# Altium PCB SIM800C_V1.2.PcbDoc
Units mil, origin at the board's own origin, x right, y up, seen from the top; angles counter-clockwise.
Board outline 1571.31 x 1961 mil, 2 copper layers (Top Layer, Bottom Layer); 34 components, 33 nets, 147 pads, 27 vias.
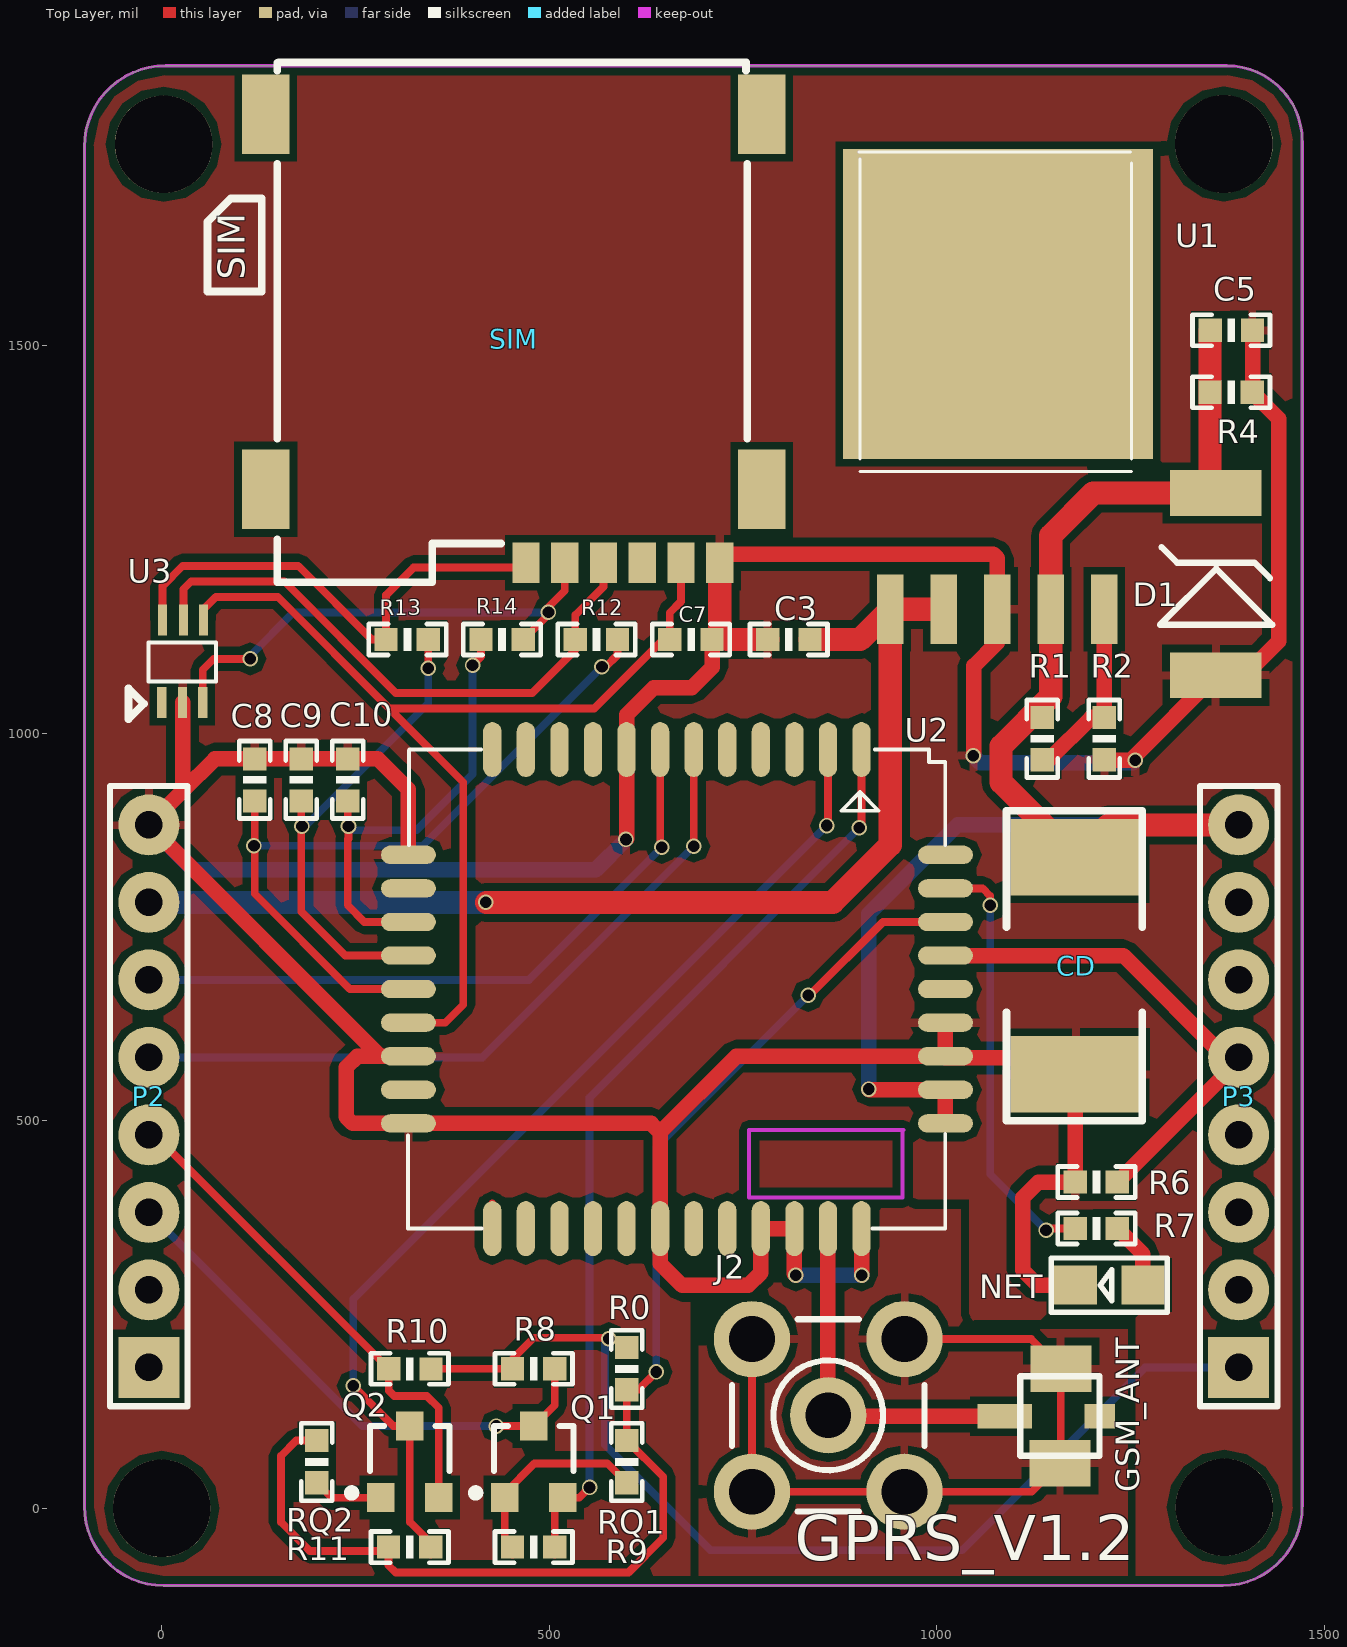
[diagram p0: Top Layer view]
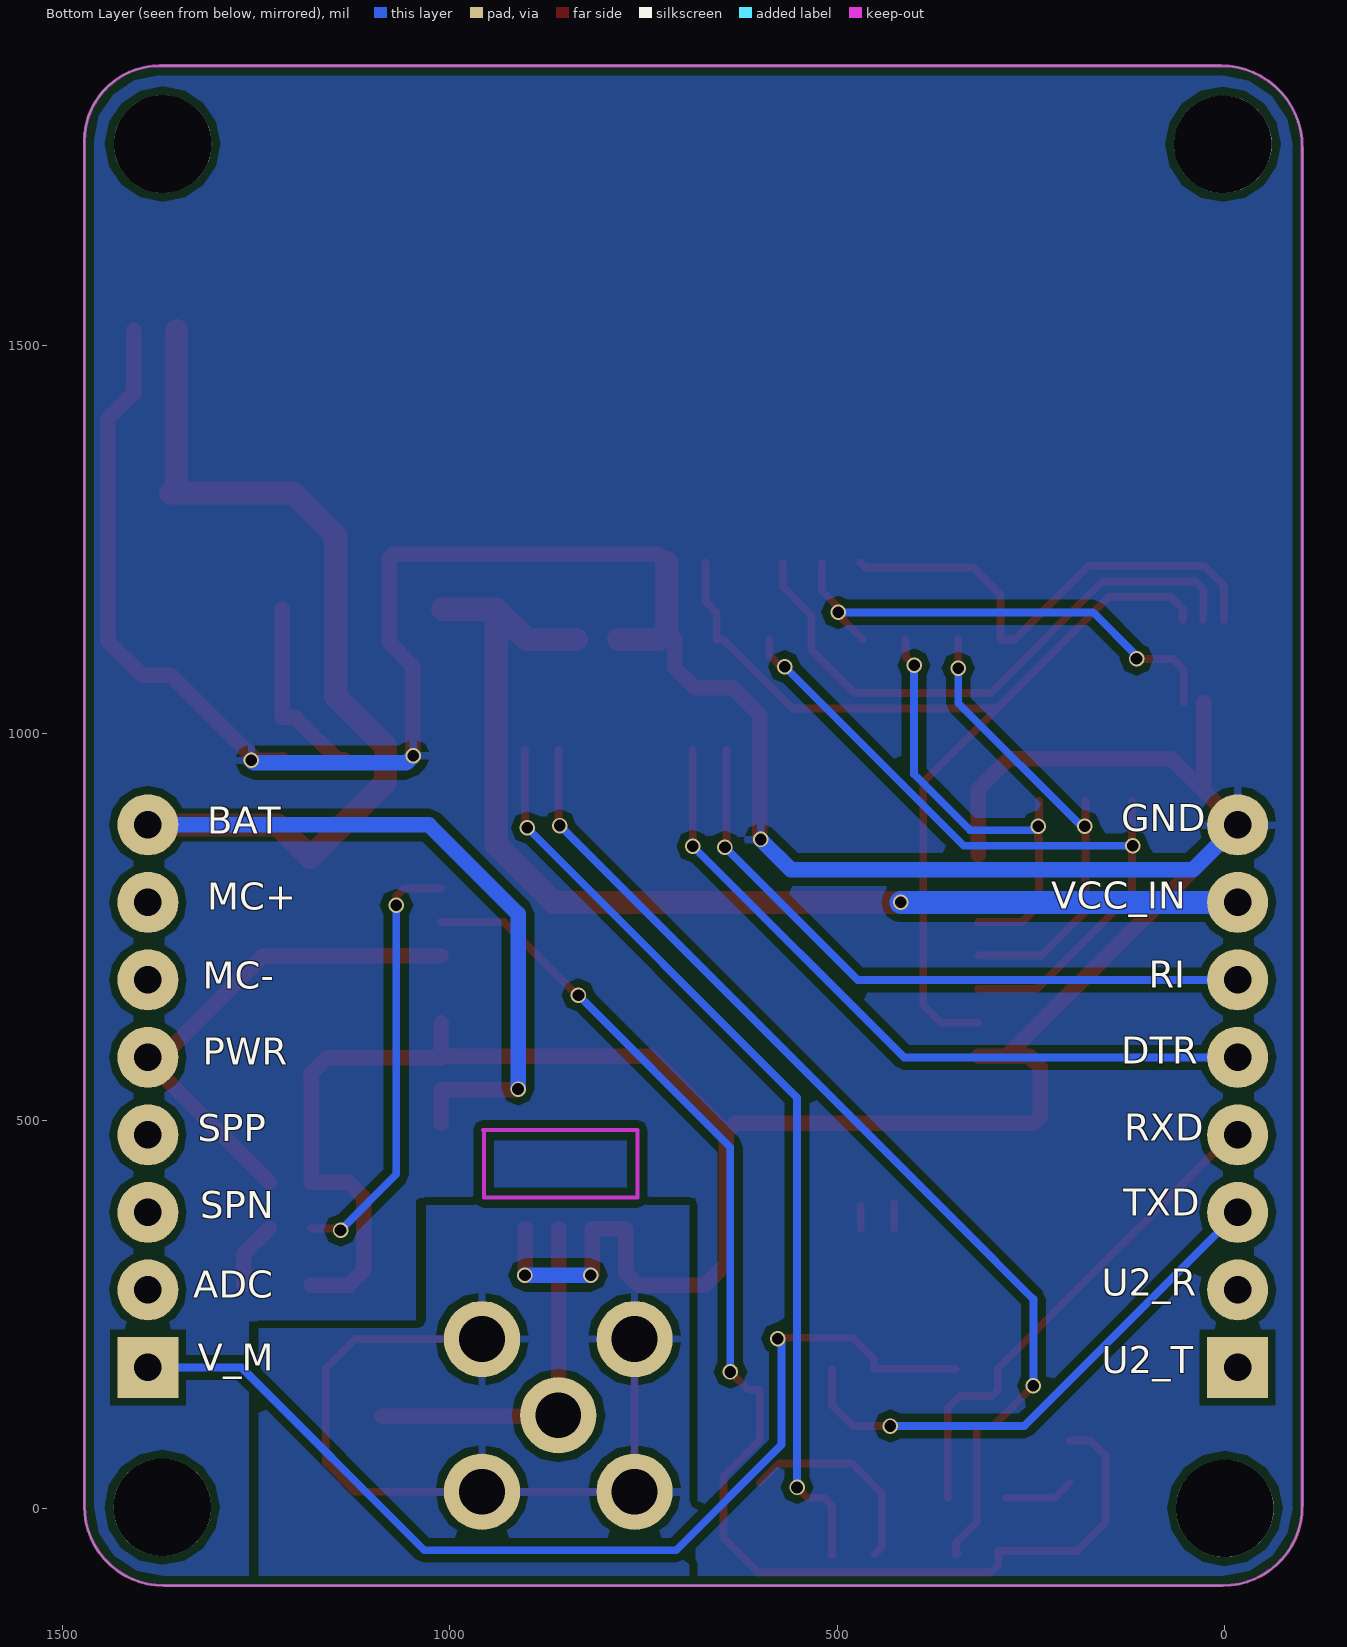
[diagram p1: Bottom Layer view, seen from below]

## Layer stack, top to bottom
Top Layer: signal copper 1.4
Dielectric: dielectric 12.6, FR-4, Dk 4.8
Bottom Layer: signal copper 1.4

## Board outline
-99.81,2.65 ccw(c2.55,2.65) 2.55,-99.71 1369.08,-99.71 ccw(c1369.08,2.72) 1471.51,2.72 1471.51,1764.14 ccw(c1374.36,1764.14) 1374.36,1861.29 4.86,1861.29 ccw(c4.86,1756.63) -99.81,1756.63

## Design rules (kind name [scope] priority, off if disabled: settings)
Clearance [All] p1: gap=10
PolygonConnect [All] p1: connectstyle=Relief reliefconductorwidth=10 reliefentries=4 polygonreliefangle="90 Angle"
RoutingVias [All] p1: holewidth=15 width=20 viastyle="Through Hole" minholewidth=5 minwidth=10 maxholewidth=28 maxwidth=50
SilkscreenOverComponentPads [All] p1: minsilkscreentomaskgap=10
SolderMaskExpansion [All] p1: expansion=4
Width [All] p1: maxlimit=100 minlimit=10 preferedwidth=10
27 further rules are at their usual default settings.

## Components (designator, comment, footprint, x,y, rotation, side; value= is the part's Value field where it differs from the comment)
C3 "0.1uF" 0603P 809,1121.13 r0 top
C5 "0.1uF" 0603P 1380,1520 r0 top
C7 "0.1uf" 0603P 683,1121 r180 top
C8 "22UF" 0603P 120,940 r270 top
C9 "22UF" 0603P 180,940 r270 top
C10 "22Pf" 0603P 240,940 r270 top
CD "钽电容_E型" 钽电容_E型 1180,560 r90 top
D1 "SMBJ5.0A" SMBJ 1360,1180 r90 top
GSM_ANT "IPX" IPX 1160,170 r90 top
J2 "SMB" SMB_V-RJ45 860,120 r0 top
NET "LED" SMDLED 1266,288 r180 top
P2 "Header 8" HDR1X8 -16.56,181.78 r90 top
P3 "Header 8" HDR1X8 1389.42,181.78 r90 top
Q1 "NMOS-2" SOT-23 480,60 r0 top
Q2 "NMOS-2" SOT-23 320,60 r0 top
R0 "0R" 0603P 600,180 r90 top
R1 "220K" 0603P 1136,993 r90 top
R2 "100K" 0603P 1216,993 r90 top
R4 "1K" 0603P 1380,1440 r180 top
R6 "10K" 0603P 1206,421 r180 top
R7 "1K" 0603P 1206,361 r180 top
R8 "4.7K" 0603P 480,180 r180 top
R9 "47k" 0603P 480,-50 r180 top
R10 "47K" 0603P 320,180 r0 top
R11 "4.7K" 0603P 320,-50 r180 top
R12 "22R" 0603P 561,1121 r180 top
R13 "22R" 0603P 317,1121 r180 top
R14 "22R" 0603P 439,1121 r0 top
RQ1 "4.7k" 0603P 600,60 r90 top
RQ2 "4.7k" 0603P 200,60 r90 top
SIM "MicroSim" "SIM卡 自弹" 720,1220 r90 top
U1 "MIC29302" D2PAK 940,1160 r0 top
U2 "SIM800C" SIM800C 902.94,979.05 r270 top
U3 "SMF05C_1" SOT-363 0,1040 r0 top

## Footprints (in the part's own frame and the unit in brackets; to place one, negate y for a bottom-side part, rotate by r counter-clockwise, add the part's x,y. Pads: shape width x height; smd on the part's side, far side on the other; paste and mask are expansions set on the pad)
0603P [mil]
  rect 30x30 smd: 1(-27,0) 2(27.5,-0.06)
  silkscreen extent -50,-20 50,20
D2PAK [mil]
  rect 34x90 smd: 1(0,0) 2(69,0) 3(138,0) 4(207,0) 5(276,0)
  rect 400x400 smd: ""(139,394)
  silkscreen extent -40,178 311,590
HDR1X8 [mm] "Connector; Header; 8 Position"
  rect 2x2 hole 0.9: 1(0,0)
  round 2 hole 0.9: 2(2.54,0) 3(5.08,0) 4(7.62,0) 5(10.16,0) 6(12.7,0) 7(15.24,0) 8(17.78,0)
  silkscreen extent -1.27,-1.27 19.05,1.27, body extent -1.37,-1.37 19.15,1.37, height 4.57
IPX [mil]
  rect 60x78.74 smd: 1(10.36,0) 3(-112,1)
  rect 31.5x70 smd: 2(-51,72.36)
  rect 31.5x39.37 smd: ""(-51,-50)
  silkscreen extent -102,-50 0,52
SIM800C [mm]
  oval 1.8x0.6 smd: 1(0,0) 2(0,-1.1) 3(0,-2.2) 4(0,-3.3) 5(0,-4.4) 6(0,-5.5) 7(0,-6.6) 8(0,-7.7) 9(0,-8.8) 10(0,-9.9) 11(0,-11) 12(0,-12.1) 22(15.7,-12.1) 23(15.7,-11) 24(15.7,-9.9) 25(15.7,-8.8) 26(15.7,-7.7) 27(15.7,-6.6) 28(15.7,-5.5) 29(15.7,-4.4) 30(15.7,-3.3) 31(15.7,-2.2) 32(15.7,-1.1) 33(15.7,0)
  oval 0.6x1.8 smd: 13(3.45,-14.85) 14(4.55,-14.85) 15(5.65,-14.85) 16(6.75,-14.85) 17(7.85,-14.85) 18(8.95,-14.85) 19(10.05,-14.85) 20(11.15,-14.85) 21(12.25,-14.85) 34(12.25,2.75) 35(11.15,2.75) 36(10.05,2.75) 37(8.95,2.75) 38(7.85,2.75) 39(6.75,2.75) 40(5.65,2.75) 41(4.55,2.75) 42(3.45,2.75)
  Keep-Out Layer lines w0.127: 12.522,1.346 14.681,1.346 14.681,-3.683 12.471,-3.683 12.471,1.372
  silkscreen extent 0,-14.86 15.7,2.74
"SIM卡 自弹" [mm]
  rect 2.61x1.56 smd: 0(2.413,14.884) 0(2.413,-1.372) 0(14.7,-1.372) 0(14.7,14.884)
  rect 1.34x0.9 smd: 1(0,1.27) 2(0,3.81) 3(0,6.35) 5(0,0) 6(0,2.54) 7(0,5.08)
  silkscreen extent -0.64,-0.9 16.4,16.79
SMB_V-RJ45 [mm] "Connector; SMB Straight"
  round 2.5 hole 1.5: 1(0,0) 2(-2.5,-2.5) 2(-2.5,2.5) 2(2.5,-2.5) 2(2.5,2.5)
  silkscreen extent -3.15,-3.15 3.15,3.15
SMBJ [mm]
  rect 1.5x3 smd: 1(-2.667,0) 2(3.302,0)
  silkscreen extent -1.02,-1.85 1.52,1.83
SMDLED [mm]
  rect 1.4x1.27 smd: 1(0.001,-0.002) 2(2.211,-0.002)
  silkscreen extent -0.8,-0.89 3.01,0.89
SOT-23 [mm]
  rect 0.9x0.95 smd: 1(-0.95,-1.175) 2(0.95,-1.175) 3(0,1.175)
  silkscreen extent -2.03,-1.14 1.3,1.18
SOT-363 [mil]
  rect 11.81x40 smd: 1(0,0) 2(27,0) 3(53,0) 4(54,106) 5(28,106) 6(1,106)
  silkscreen extent -43,-22 70,77
钽电容_E型 [mm]
  rect 2.5x4.3 smd: 1(0,0) 2(7.112,0)
  silkscreen extent -1.52,-2.16 8.64,2.29

## Part data
C3 C7 C8 C9 C10: library part C
C5: library part C_2
D1: library part SMBJ, "TVS"
GSM_ANT: library part IPEX, "IPEX座"
J2: "SMB Straight Connector"
NET: library part LED2, "Typical RED, GREEN, YELLOW, AMBER GaAs LED"
P2 P3: "Header, 8-Pin"
Q1 Q2: "N-Channel Power MOSFET"
R0 R1 R2 R4 R6 R7 R8 R9 R10 R11 R12 R13 R14 RQ1 RQ2: library part R
SIM: library part "SIM卡 自弹"
U3: "TVS"

## Free pads (board coordinates)
  round 125.98 hole 125.98: 0(2.51,1760.02) 1(1370.47,1760.37) 2(0,0) 3(1371.08,1.38)

## Via types
v1: diameter 20, hole 15, Top Layer to Bottom Layer, 27 vias

## Nets (pads, with @x,y where several pads share a name; then routed paths per layer and width w, separated by ;. In a path a pad name is that pad's centre, name@x,y a point inside that pad or via, vN(x,y) a via of type N, cw(c..) or ccw(c..) an arc to the next point about the centre after c; other vN are vias at no path point)
ADC: U2.38
DTR: P2.5 U2.6 | length 940.5
  Top Layer w10: v1(686.41,854.41) U2.6
  Bottom Layer w10: P2.5 413.78,581.78 v1(686.41,854.41)
GND: C3.1 C5.2 C7.1 C8.1 C9.1 C10.1 CD.1 D1.1 NET.2 P2.8 R2.1 R4.1 R6.2 SIM.5 U1.3 U2.8 U2.13 U2.19 U2.21 U2.27 U2.30 U2.31 U2.33 U2.36 U2.37 U3.2 | length 5907.3
  Top Layer w20: U3.2 27,925.34 ; U2.19 281.84,583.38 ; U2.13 318.3,927.7 279,967 C10.1 C9.1 C8.1 68.66,967 27,925.34 ; v1(599,863) 599.79,863.79 U2.8 599.79,1023.79 635,1059 684,1059 710,1085 C7.1 ; SIM.5 731,1231 1073,1231 1078,1226 U1.3 1078,1117 1048,1087 1048,972 v1(1047,971) ; v1(818,301) 816.33,302.67 U2.31 U2.30 773.02,304.02 756.64,287.64 671.36,287.64 643.1,315.9 U2.27 643.1,485.1 ; U2.33 902.94,301.06 v1(903,301) ; U2.37 U2.36 ; NET.2 1129.94,288.06 1111,307 1111,401 1131.06,421.06 R6.2 1178.5,558.5 CD.1 1158.79,581.21 1011.21,581.21 U2.36 ; R2.1 1217,965 v1(1256,965) ; v1@1253,968 D1.1 1397.46,1075 1441,1118.54 1441,1406 R4.1 ; R4.1@1407.5,1440.5 C5.2 ; 27,925.34 P2.8 281.84,583.38 ; 281.84,583.38 252.38,583.38 238,569 238,505 246.23,496.77 U2.21 631.44,496.77 643.1,485.1 ; 643.1,485.1 741.38,583.38 U2.36
  Top Layer w30: SIM.5 720,1131 729.87,1121.13 C3.1
  Bottom Layer w20: P2.8 41.22,824 560,824 v1(599,863) ; v1(818,301) v1(903,301) ; v1(1047,971) 1056,962 1253,962 v1(1256,965)
GSM_GND: GSM_ANT.1 GSM_ANT.3 J2.2 | length 949.5
  Top Layer w10: J2.2@761.57,218.43 761.57,21.57 958.43,21.57 1122.57,21.57 GSM_ANT.3 1160,59 GSM_ANT.1 1121.94,218.43 J2.2@958.43,218.43
MCN: U2.10
MCP: U2.9
NetGSM_ANT_2: GSM_ANT.2 J2.1 U2.32 | length 469.1
  Top Layer w20: U2.32 859.64,120.36 J2.1 861,119 GSM_ANT.2
NetNET_1: NET.1 R7.1 | length 86.6
  Top Layer w20: R7.1 1265.97,328.03 NET.1
NetQ1_1: Q1.1 R9.2 RQ1.1 | length 267.3
  Top Layer w10: R9.2@452.5,-59.94 447.5,-54.94 442.6,-50.03 442.6,-49.94 Q1.1 442.6,19.6 481,58 575,58 RQ1.1
NetQ2_1: Q2.1 RQ2.1 | length 90.6
  Top Layer w10: RQ2.1 219.26,13.74 Q2.1
NetR1_1: R1.1 R2.2 U1.5 | length 242.2
  Top Layer w20: R1.1 1145,966 1199.5,1020.5 R2.2 1216.06,1159.94 U1.5
NetR7_2: R7.2 U2.41 | length 566.9
  Top Layer w10: U2.41 1059.08,799.92 1069,790 v1(1069,778) ; v1(1141,359) 1140.13,359 1138.06,361.06 R7.2
  Bottom Layer w10: v1(1069,778) 1069,431 v1(1141,359)
NetR12_2: R12.2 SIM.2 U3.5 | length 759.9
  Top Layer w10: U3.5 28,1186 38,1196 158,1196 302,1052 478,1052 533.5,1107.5 R12.2 533.5,1152.5 570,1189 SIM.2
NetR13_2: R13.2 SIM.3 U3.6 | length 637.7
  Top Layer w10: U3.6 1,1190 27,1216 176,1216 270.94,1121.06 R13.2 289.5,1178.5 325,1214 464,1214 SIM.3
NetR14_2: R14.2 SIM.7 U3.3 | length 642.2
  Top Layer w10: U3.3 53,1082 67,1096 v1(114,1096) ; R14.2 498,1152.44 498,1162 520,1184 SIM.7
  Bottom Layer w10: v1(114,1096) 114,1100 170,1156 v1(499,1156)
PWRKEY: P3.5 R6.1 U2.39 | length 658.3
  Top Layer w20: U2.39 1240.7,713.3 1372.22,581.78 P3.5 1389.42,577.42 R6.1
RI: P2.6 U2.7 | length 859.3
  Top Layer w10: U2.7 643.1,854.9 v1(645,853)
  Bottom Layer w10: P2.6 473.78,681.78 v1(645,853)
RXD: P2.4 Q2.2 R10.1 | length 652.1
  Top Layer w10: P2.4 -8.78,481.78 R10.1 293,152 300,145 342,145 357.4,129.6 Q2.2
SIM800_VBAT: C5.1 CD.2 D1.2 P3.8 R1.2 R4.2 U1.4 U2.34 U2.35 | length 2051.4
  Top Layer w20: v1(912,541) 912.93,540.07 U2.35 U2.34 ; D1.2@1352.5,1317.5 D1.2 ; C5.1@1352.5,1519.5 C5.1
  Top Layer w30: D1.2@1352.5,1317.5 R4.2 C5.1@1352.5,1519.5 ; D1.2 1202,1310 1147,1255 U1.4 1147,1047.5 1083,983.5 1083,937 1124,896 CD.2 1221.78,881.78 P3.8
  Bottom Layer w20: v1(912,541) 912,767 1026.78,881.78 P3.8
SIM_CLK: C9.2 R13.1 U2.16 | length 615.6
  Top Layer w10: v1@179.94,876 179.94,770.06 236.7,713.3 U2.16 ; v1@179.94,880 C9.2 ; v1@180,876 181,877 v1(181,880) ; v1(344,1084) R13.1
  Bottom Layer w10: v1(181,880) 185,880 344,1039 v1(344,1084)
SIM_DATA: C10.2 R14.1 U2.15 | length 592
  Top Layer w10: 239.93,864.07 239.93,778.07 261.39,756.61 U2.15 ; v1@239.93,880 C10.2 ; 241,864.07 v1(241,880) ; v1(401,1088) 412,1099 R14.1
  Bottom Layer w10: v1(241,880) 246,875 328.72,875 401,947.28 v1(401,1088)
SIM_RST: C8.2 R12.1 U2.17 | length 960.6
  Top Layer w10: v1(119,855) v1@119.94,855 ; C8.2 v1@119.94,855 ; U2.17 243,670 119.94,793.06 v1@119.94,855 ; v1(568,1086) 573,1086 588,1101 R12.1
  Bottom Layer w10: v1(119,855) 337,855 v1(568,1086)
SIM_RX: Q2.3 R11.1 U2.2 | length 1350.9
  Top Layer w10: v1(247,158) 298.74,106.26 Q2.3 320,-17.5 347,-44.5 R11.1 R11.1@347,-55 ; R11.1@344.5,-57.5 R11.1@347,-60 ; v1(858,881) 859.64,882.64 U2.2
  Bottom Layer w10: v1(247,158) 247,270 342,365 ; 338,361 342,365 ; v1(858,881) 349,372 342,365
SIM_TX: Q1.2 R9.1 U2.1 | length 1215.6
  Top Layer w10: R9.1@507,-60 R9.1 507,3.34 Q1.2 538.74,13.74 v1(552,27) ; v1(900,878) 902.94,880.94 U2.1
  Bottom Layer w10: v1(552,27) 552,530 v1(900,878)
SIM_VDD: C7.2 SIM.1 U2.18 U3.4 | length 1325.4
  Top Layer w10: U3.4 54,1160 70,1176 149.72,1176 293.72,1032 ; U2.18 365.69,626.69 389,650 389,936.72 293.72,1032 ; SIM.1 670,1170 655.5,1155.5 C7.2 647.06,1121.06 558,1032 293.72,1032
SPN: U2.12
SPP: U2.11
TXD: P2.3 Q1.3 R8.1 | length 697.1
  Top Layer w10: v1(431.74,106.26) Q1.3 507,133.26 R8.1
  Bottom Layer w10: P2.3 258.96,106.26 v1(431.74,106.26) v1@430.26,106.26
U2_R: U2.23 | length 29.2
  Top Layer w10: U2.23 U2.23@469.87,390.13
U2_T: U2.22 | length 32.5
  Top Layer w10: U2.22 U2.22@426.57,393.43
VCC_EXT: R0.1 R11.2 RQ1.2 RQ2.2 U2.40 | length 1733.6
  Top Layer w10: RQ2.2 173.5,87.5 154,68 154,-18 190.94,-54.94 292.5,-54.94 292.5,-73.24 302,-82.74 602.26,-82.74 647,-38 647,40.56 RQ1.2 600,87.56 R0.1 615,153 v1(638,176) ; v1(834,662) 834,660 835,661 930.61,756.61 U2.40
  Bottom Layer w10: v1(638,176) 638,466 v1(834,662)
VCC_IN: C3.2 P2.7 U1.1 U1.2 | length 1478.9
  Top Layer w30: v1@419,781.78 865.78,781.78 940,856 U1.1 ; C3.2 901.06,1121.06 U1.1 ; U1.2 U1.1
  Bottom Layer w30: P2.7 v1(418,781.78)
VCC_MCU: P3.1 R0.2 R8.2 R10.2 | length 1363.9
  Top Layer w10: R10.2 347.63,180.06 R8.2 452.5,192.5 480,220 v1@570,220 ; v1@570,219 v1(577,219)
  Bottom Layer w10: v1(577,219) 572,214 572,82 708,-54 1033,-54 1268.78,181.78 P3.1
pads on no net: GSM_ANT. P2.1 P2.2 P3.2 P3.3 P3.4 P3.6 P3.7 SIM.0 SIM.6 U1. U2.3 U2.4 U2.5 U2.14 U2.20 U2.24 U2.25 U2.26 U2.28 U2.29 U2.42 U3.1

## Polygon pours and split planes (outlines as drawn)
GND on Top Layer "Top Layer-No Net" (solid, pour order 1000): -3.29,1862.62 1390.71,1862.62 1392.71,1860.62 1395.71,1857.62 1411.71,1857.62 1440.71,1857.62 1459.71,1838.62 1470.71,1827.62 1470.71,1777.62 1470.71,-8.38 1469.71,-9.38 1468.71,-10.38 1468.71,-96.38 1255.41,-96.38 1253.71,-98.08 1256.71,-95.08 1256.71,243.62 1048.71,243.62 1044.71,239.62 1041.71,242.62 1041.71,398.62 681.71,398.62 680.71,397.62 681.71,396.62 681.71,-98.08 -101.59,-98.08 -102.29,-97.38 -100.1,-95.19 -100.1,4.27 -100.1,1862.43 -100.29,1862.62
GSM_GND on Top Layer "Top Layer-No Net" (solid, pour order 1001): 681,401 1038,401 1042,397 1044.81,394.19 1044.81,246.19 1251.53,246.19 1257,240.72 1260,237.72 1260,-99.71 682,-99.71
GND on Bottom Layer "Top Layer-No Net" (solid, pour order 1002): -97.31,1860.69 -96.31,1859.69 1474.69,1859.69 1474.69,-101.31 1474.4,-101.01 1259.69,-101.01 1259.69,239.69 1258.69,240.69 1257.69,241.69 1043.69,241.69 1043.69,396.69 1039.69,400.69 682.69,400.69 682.69,-100.01 683.69,-101.01 683.4,-101.31 -97.31,-101.31
GSM_GND on Bottom Layer "Top Layer-No Net" (solid, pour order 1003): 680,402 683,405 1044,405 1044,241 1046,243 1255,243 1255,-97.71 1257,-99.71 680,-99.71

## Keep-outs
Keep-Out Layer:
  the board outline again, w3.94

## Silkscreen, mask and mechanical layers (free items; w line width, h text height)
Top Overlay:
  text "GPRS_V1.2" at 817,-86 h100
Bottom Overlay:
  text "GND" at 134,862 h60
  text "BAT" at 1313,859 h60
  text "VCC_IN" at 224,762 h60
  text "MC+" at 1313,761 h60
  text "RI" at 98,660 h60
  text "MC-" at 1319,659 h60
  text "DTR" at 134,562 h60
  text "PWR" at 1319,561 h60
  text "RXD" at 130,463 h60
  text "SPP" at 1325,462 h60
  text "TXD" at 131,366 h60
  text "SPN" at 1322,363 h60
  text "U2_R" at 159,263 h60
  text "ADC" at 1331,260 h60
  text "V_M" at 1325,166 h60
  text "U2_T" at 159,163 h60